# Allegro board RK_EVB1_RK3576_LP4XD200P132SD6_V12_20240530YWQ.brd (continued)
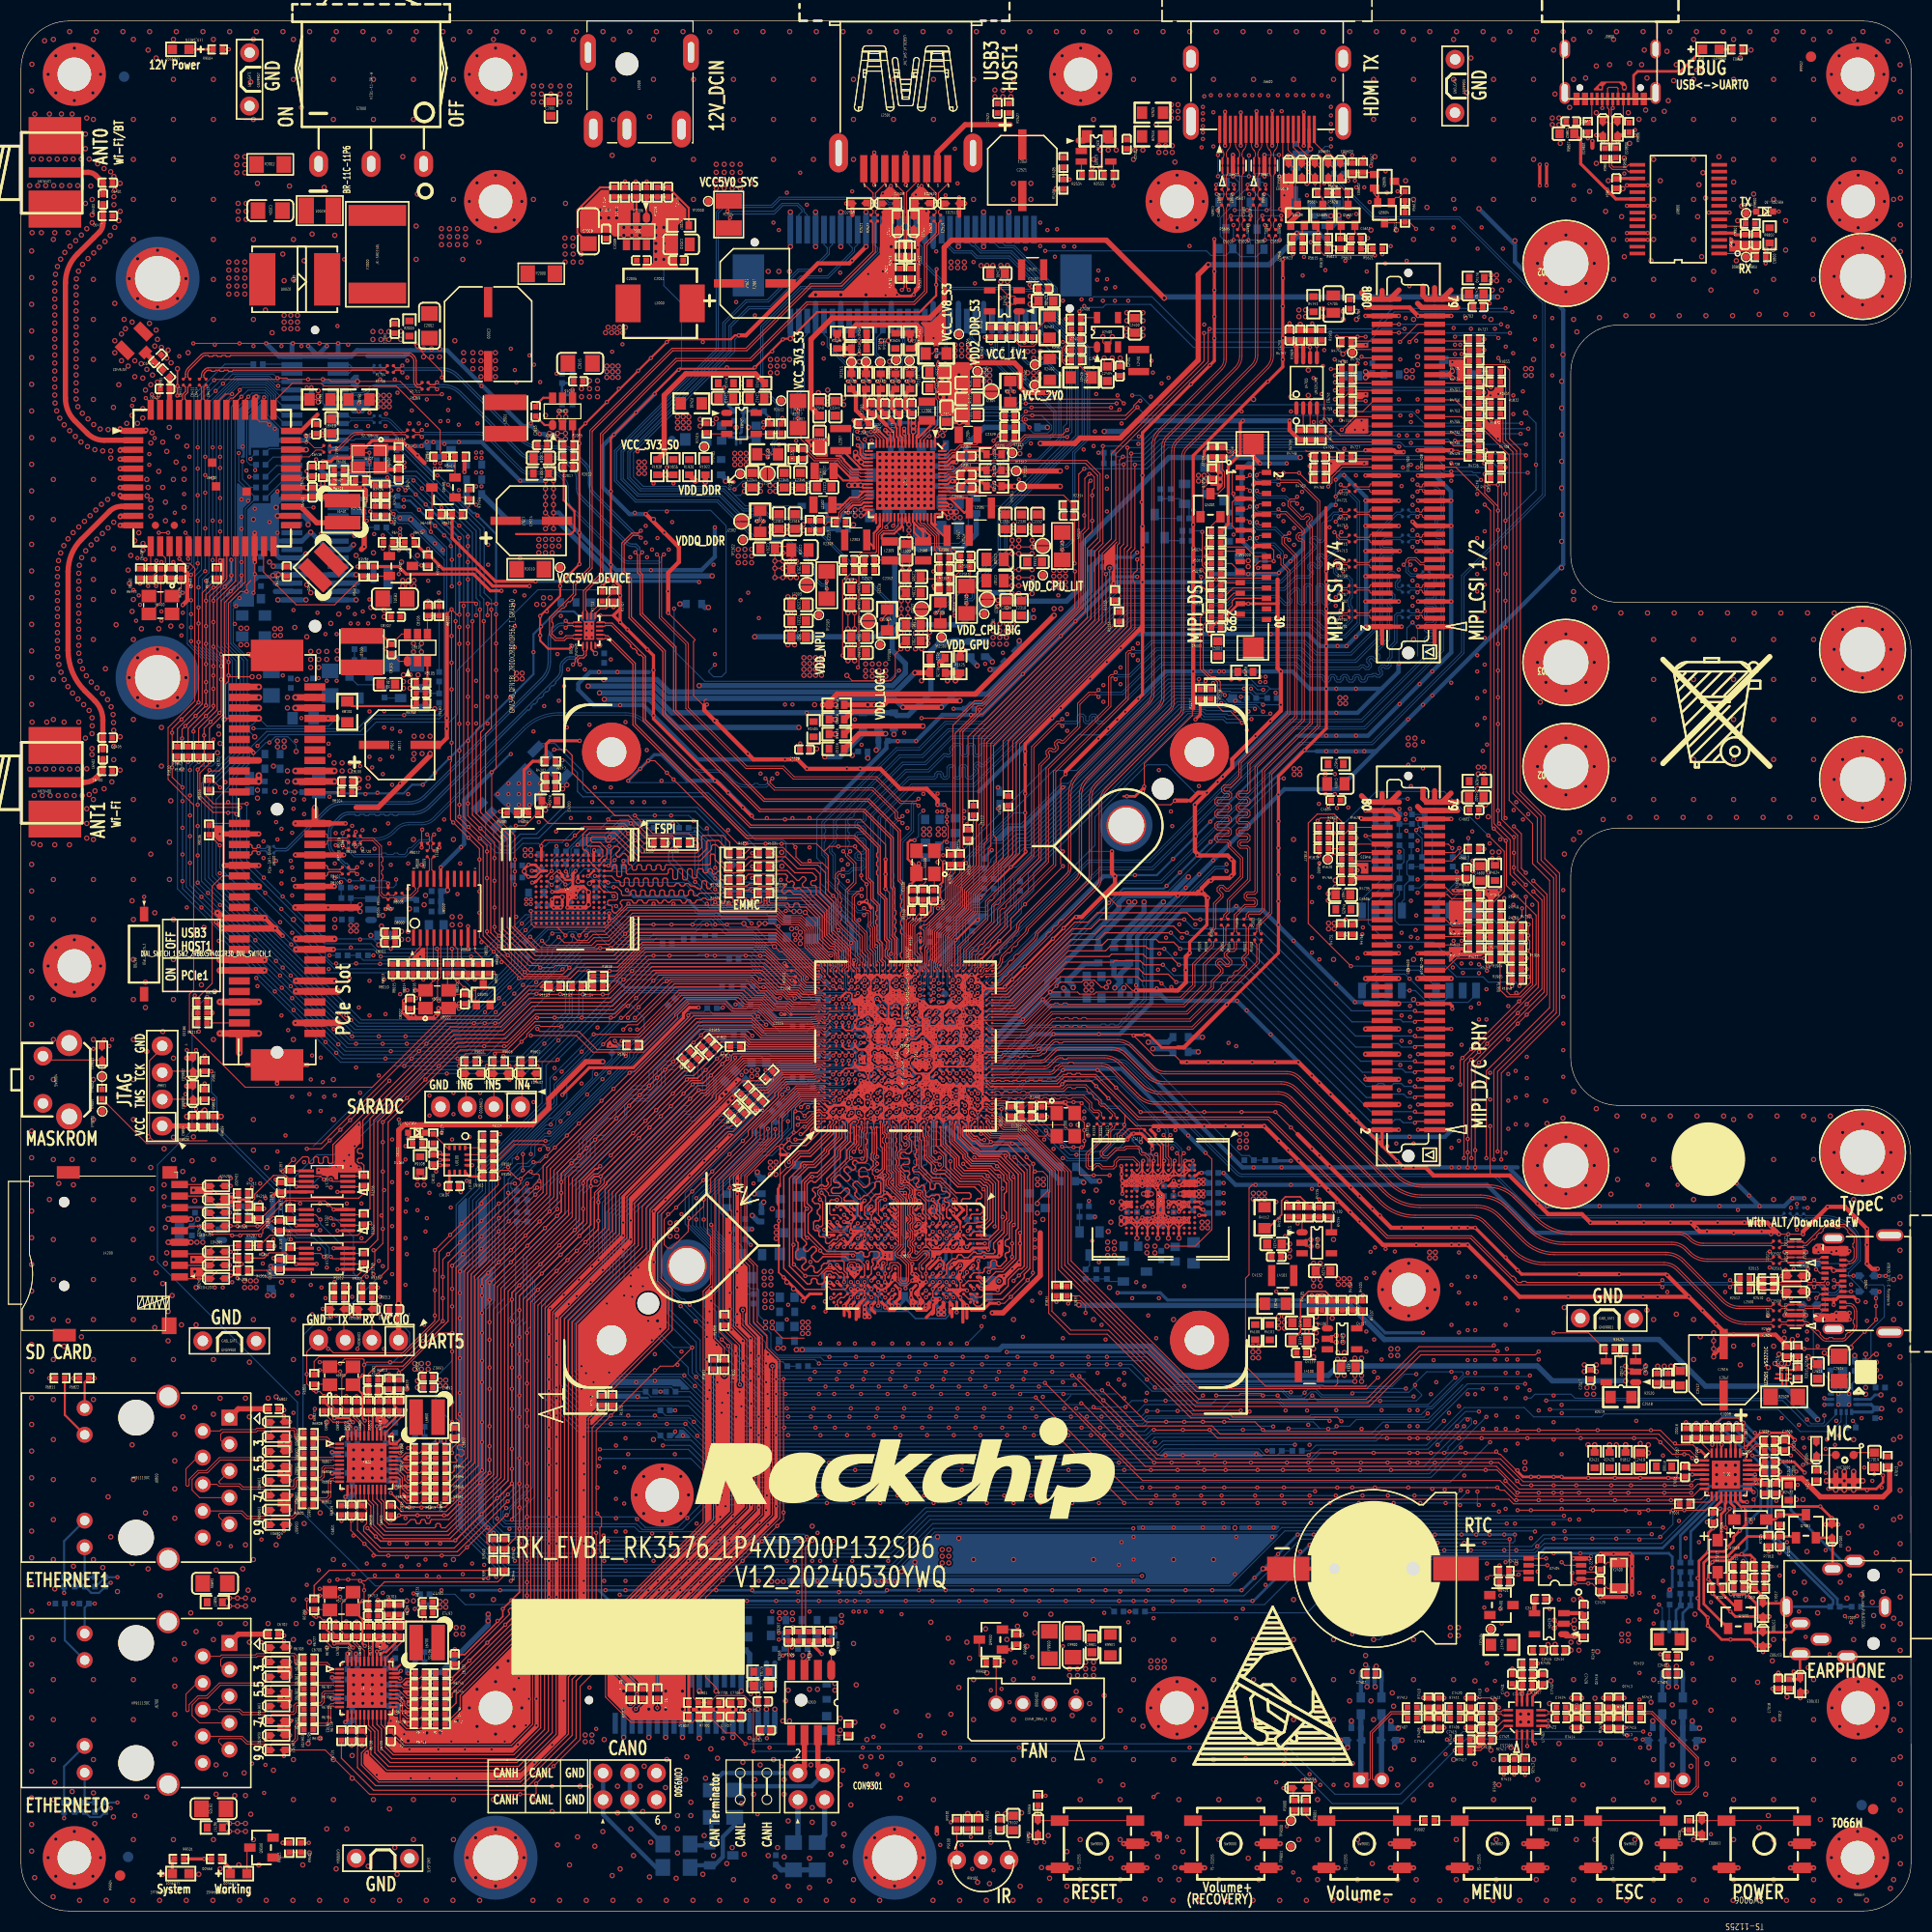
[diagram p0: board, top side]
## Routing (per net, layer and track width the routed paths; a pad name or vN(x,y) marks a point on that pad's centre or on a via; arc(x,y) is an arc through that point) (continued)
VBUS: length 2.2
  TOP w0.203: 167.17,51.13 U2501.B2 U2501.A2 ; U2501.A2 167.06,50.73 ; U2501.A2 167.73,50.11
VBUS5V0_TYPEC: length 11.4
  TOP w0.102: ED2514.2 v2(175.68,50.48) ED2514.1
  TOP w0.203: U2501.A1 168.13,50.11 ; U2501.A1 168.55,50.73 ; U2501.A1 U2501.B1 168.57,51.13
  TOP w0.305: v2(174.92,58.11) 174.53,58.5 J2500.B9 173.12,58.5 172.87,58.25 172.63,58.25 ; 172.63,58.25 v1(172.63,57.73) ; 172.63,58.25 J2500.A4 ; J2500.B4 v2(172.63,61) 172.38,61.25 J2500.A9
  BOTTOM w0.254: U2500.2 176.15,48.73 176.57,49.15 v2(177.13,49.15)
  vias: v2(175.68,49.86) v2(175.68,49.22)
VCC1V2_UFS_VCCQ_S0: length 14.9
  TOP w0.203: U4100.E5 U4100.F5 v1(109.78,69.55) ; U4100.E5 v1(110.28,69.05) ; U4100.E5 v1(109.78,69.55) ; U4100.B4 U4100.A4 ; U4100.B4 U4100.C4 ; U4100.B4 U4100.C5 ; U4100.B4 U4100.B5 ; U4100.B4 U4100.A5 ; U4100.A4 U4100.B5 ; U4100.A4 112.12,69.2 v1(112.16,69.2) 112,69.05 U4100.A5 ; U4100.A4 112.06,69.55 v1(112.16,69.65) ; U4100.A4 U4100.A5 ; v1(110.28,69.05) v1(109.78,69.55) ; v1(110.28,69.05) U4100.C5 ; v1(110.28,69.05) U4100.C4 ; U4100.B5 U4100.C4 ; U4100.B5 U4100.A5 ; U4100.B5 U4100.C5 ; U4100.C4 U4100.C5
  TOP w0.254: v1(112.61,69.67) 112.18,69.67 v1(112.16,69.65) v1(112.16,69.2) 112.18,69.23 v1(112.61,69.23) v1(112.61,69.67)
  BOTTOM w0.305: v1(112.61,69.67) 112.79,69.67 C4102.1 113.02,69.23 v1(112.61,69.23)
  vias: v2(117.36,68.35) v2(117.36,67.82) v2(117.9,68.35) v2(117.9,67.82) v2(118.43,68.35) v2(118.43,67.82)
VCC1V2_UFS_VCCQ_S0_P: length 7.7
  TOP w0.152: C4130.1 R4113.1 122.66,67.19 121.83,68.02 120.42,68.02 120.06,67.65 120.06,66.31 118.78,65.03 R4112.1
VCC1V8_EMMC_S0: length 5.4
  TOP w0.203: U4000.P5 U4000.N4 U4000.P3
  TOP w0.254: U4000.P5 48.98,98.5 v1(48.32,98.5) 47.93,98.89 v2(47.93,99.01) 47.93,99.24 v1(48.33,99.64) 48.98,99.64 U4000.P3
  TOP w0.279: U4000.M4 U4000.N4 ; v2(54.14,97.86) 54.35,98.07 U4000.C6
VCC1V8_FSPI_S0: length 2
  BOTTOM w0.102: v2(51.59,106.86) 51.73,107 U4300.8 51.98,107.7 v2(51.98,107.25)
VCC1V8_UFS_VCCQ2_S0: length 13.1
  TOP w0.203: U4100.A7 U4100.B7 ; U4100.A7 U4100.A6 ; U4100.A7 U4100.B6 ; U4100.A7 v1(112.17,68.05) ; U4100.B7 U4100.A6 ; U4100.B7 U4100.C6 ; U4100.B7 U4100.C7 ; U4100.B7 U4100.B6 ; U4100.B6 U4100.A6 ; U4100.B6 U4100.C6 ; U4100.B6 U4100.C7 ; U4100.A6 v1(112.17,68.55) ; U4100.K6 U4100.K7 ; U4100.K6 107.15,68.55 v2(106.9,68.3) 107.15,68.05 U4100.K7 ; U4100.K6 107.41,68.55 v2(107.66,68.3) 107.41,68.05 U4100.K7 ; U4100.C7 110.65,68.05 v2(110.4,68.3) 110.65,68.55 U4100.C6 ; U4100.C7 U4100.C6
  TOP w0.254: v1(112.61,68.55) v1(112.17,68.55) v1(112.17,68.05) v1(112.61,68.05) v1(112.61,68.55)
  BOTTOM w0.102: C4108.1 110.2,68.09 v2(110.4,68.3)
  vias: v2(112.47,65.6) v2(112.47,65.07) v2(113.01,65.6) v2(113.01,65.07)
VCC3V3_CAN:
  vias: v2(72.56,18.11) v2(73.19,18.11)
VCC3V3_CLK: length 2.6
  TOP w0.254: R8010.1 v1(36.38,88.72) ; R8020.1 R8025.1 v1(42.56,88.77) ; R8015.1 v1(37.35,88.72)
  vias: v2(36.24,93.29) v2(36.24,92.53) v2(36.87,93.29) v2(36.87,92.53)
VCC3V3_EMMC_S0: length 4.6
  TOP w0.279: U4000.F5 v2(53.05,98.07) U4000.E6 ; v1(50.59,96.34) 50.81,96.57 U4000.K9 v2(51.55,96.57) U4000.J10 51.55,95.73 v1(51.39,95.58)
  TOP w0.406: v1(51.39,95.58) v1(50.73,95.58) 50.59,95.72 v1(50.59,96.34)
VCC3V3_FSUSB_S0: length 19.2
  TOP w0.305: U1301.10 C1313.1 24.39,68.49 v1(23.98,68.08) ; U1302.10 C1314.1 v1(24.13,64.8) ; U1300.10 C1312.1 24.08,61.12 v1(23.79,61.41)
  BOTTOM w0.508: v1(23.98,68.08) 23.98,66.56 23.54,66.11 23.54,65.39 v1(24.13,64.8) 25.06,63.87 25.06,61.68 24.8,61.41 v1(23.79,61.41) R1355.2
VCC3V3_FT232_DEBUG: length 2
  TOP w0.305: C9804.1 151.97,165 U9800.17
VCC3V3_GMA340_S0: length 1.5
  TOP w0.203: U1700.17 54.31,120.18 v2(54.71,119.77)
  TOP w0.406: R1707.1 v1(56.43,124.18)
VCC3V3_LCD_S0:
  vias: v2(116.88,128.6) v2(116.88,128.04)
VCC3V3_PCIE1: length 9.3
  TOP w0.635: U8100.B8 22.65,109.58 ; v2(26.13,107.58) U8100.A10 v2(29.85,107.58) ; v2(26.13,108.58) U8100.A9 v2(29.85,108.58)
  vias: v2(24.04,109.04) v2(25.37,108.58) v2(25.37,107.58) v2(29.82,109.34) v2(30.58,109.34) v2(30.58,108.58) v2(31.34,109.34) v2(31.34,108.58)
VCC3V3_PCIE1_P: length 7.9
  TOP w0.203: C8104.1 R8101.1 37.63,114.96 37.43,114.75 31.51,114.75 31.06,115.2
VCC3V3_PCIEWL_VBAT: length 3.2
  TOP w0.406: U6400.36 26.69,140.97 28.23,142.51
VCC3V3_PHY0: length 37.3
  TOP w0.203: U6700.11 31.1,18.17 v1(30.9,17.98) ; U6700.40 v1(31.1,24.49) ; R6731.2 R6719.2 v1(35.05,29.65)
  TOP w0.229: U6700.29 35.94,22.63 v1(36.17,22.86)
  L4-SIG w0.203: v1(30.9,17.98) 23.25,10.33 v1(9.18,10.33)
  BOTTOM w0.203: R6712.1 7.12,9.43 R6721.2 v1(9.18,10.33) ; v1(35.05,29.65) 35.6,29.1 35.6,25.09
  BOTTOM w0.508: C6710.1 31.1,23.92 v1(31.1,24.49) ; C6711.1 31.35,17.98 v1(30.9,17.98)
VCC3V3_PHY1: length 37.3
  TOP w0.203: v1(35.05,51.11) R6819.2 R6831.2 ; v1(30.9,39.44) 31.1,39.64 U6800.11 ; U6800.40 v1(31.1,45.96)
  TOP w0.229: v1(36.17,44.33) 35.94,44.09 U6800.29
  L4-SIG w0.203: v1(30.9,39.44) 23.25,31.79 v1(9.18,31.79)
  BOTTOM w0.203: v1(9.18,31.79) R6821.2 7.12,30.89 R6812.1 ; v1(35.05,51.11) 35.6,50.56 35.6,46.55
  BOTTOM w0.508: v1(30.9,39.44) 31.35,39.44 C6810.1 ; C6811.1 31.1,45.39 v1(31.1,45.96)
VCC3V3_SD_S0: length 2.2
  TOP w0.508: v2(16.2,63.69) J4200.4 v2(14.02,63.69)
  vias: v2(16.76,63.69) v2(17.31,63.69)
VCC3V3_SENSOR_S0: length 4.6
  TOP w0.254: 42.46,71.03 v1(42.97,71.03) ; C9105.1 39.74,72.03 v1(39.92,72.21) 40.1,72.03 U9100.5 ; v1(40.62,68.46) 40.8,68.64 C9104.1 U9100.8
  TOP w0.305: v1(45.43,73.27) 45.03,72.87 R9104.1
VCC3V3AUX_PCIE1: length 2.4
  TOP w0.635: U8100.B10 v2(22.65,107.58) v2(22.65,108.15)
VCC5V0_DEVICE_S0: length 2
  BOTTOM w0.508: R5608.1 124.88,160.47 125.52,161.11 v2(125.52,161.49)
  vias: v1(118.01,117.55) v1(118.01,117.04) v1(118.53,117.55) v1(118.52,117.04) v2(31.41,93.87) v2(31.41,93.33) v2(31.95,93.87) v2(31.95,93.33) v2(49.32,130.63) v2(49.32,129.99) v2(49.32,129.36) v2(49.95,130.63) v2(49.95,129.99) v2(49.95,129.36) v2(50.59,130.63) v2(50.59,129.99) v2(50.59,129.36) v2(51.22,130.63) v2(51.22,129.99) v2(72.24,28.4) v2(72.24,27.84) v2(72.81,28.39) v2(73.47,28.38) v2(73.47,27.75) v2(109.55,172.03) v2(109.55,171.39) v2(109.55,170.76) v2(110.19,172.03) v2(110.19,171.39) v2(110.19,170.76) v2(125.61,115.54) v2(125.61,115.01) v2(126.15,115.54) v2(126.15,115.01) v2(132.12,111.7) v2(132.12,111.07) v2(132.76,111.7) v2(132.76,111.07) v2(138.79,108.94) v2(138.79,108.3) v2(139.33,108.93) v2(139.33,108.3) v2(139.99,155.8) v2(139.99,155.26) v2(140.53,155.8) v2(140.53,155.26) v2(149.14,49.86) v2(149.14,49.22) v2(149.77,49.86) v2(149.77,49.22) v2(152.44,26.36) v2(152.44,25.73) v2(153.08,26.36) v2(153.08,25.73)
VCC5V0_DEVICE_S0_P: length 194.9
  TOP w0.203: R2012.1 C2017.1 51.69,134.35 52.71,133.33 52.71,131.48 52.36,131.14 47.14,131.14
  TOP w0.305: R9501.1 v1(17.44,4.96) R9500.1
  L4-SIG w0.305: v1(17.44,4.96) 30.08,4.96 33.57,8.45 60.24,8.45 62.27,10.49 62.27,35.47 64.37,37.57 64.37,42.55 59.35,47.56 59.35,55.19 56.29,58.25 56.29,71.2 50.29,77.19 50.29,84.98 43.2,92.07 43.2,94.7 42.28,95.63 42.28,101.05 43.2,101.98 43.2,108.39 49.06,114.24 49.06,118.05 47.48,119.63 47.48,128.8 v1(47.54,128.85)
VCC5V0_HDMI: length 2.7
  TOP w0.508: v2(121.63,161.58) 120.92,160.87 Q5608.1
  BOTTOM w0.508: R5610.1 D5600.1
VCC5V0_SYS_S5: length 102.9
  TOP w0.102: R2004.2 67.4,162 v1(67.27,161.88)
  TOP w0.203: 88.75,137.98 88.6,137.98 88.26,137.64 U2300.64 ; v2(84.99,140.88) 84.94,140.83 U2300.7 ; 88.3,133.44 U2300.52 87.74,133.29 88.33,132.71 v2(88.33,132.71) ; v2(87.24,140.53) 87.17,140.53 87.04,140.41 U2300.1 87.36,139.74 ; 80.25,132.88 80.74,133.38 U2300.34 v2(80,133.44) 80.35,133.79 U2300.33 ; U2300.22 80.25,137.64 80.01,137.88 v2(80.01,137.99) 80.02,137.99 U2300.21 ; 84.59,131.84 U2300.44 ; U2300.54 88.16,134.14 88.5,133.8 v2(88.53,133.8) 88.56,133.8 ; v2(84.57,132.05) 84.24,132.37 U2300.43 ; U2300.28 80.21,135.54 v2(79.97,135.78) 80.08,135.89 U2300.27 ; U2300.53 88.5,133.79
  TOP w0.406: R2418.1 147.14,26.16 U2404.1 ; v1(89.09,137.98) 88.75,137.98
  TOP w0.508: v2(78.85,135.78) v2(79.41,135.78) v2(79.97,135.78) ; 89.01,133.24 88.51,133.24 ; v2(84.99,140.88) v2(84.99,141.42) v2(84.99,141.98) ; v2(79.48,138.9) 79.48,138.52 79.62,138.38 v2(79.62,138.38) 80.01,137.99 v2(80.01,137.99)
  L4-SIG w0.305: v1(93.87,53.24) 93.52,53.59 76.17,53.59 75.1,52.52 72.3,52.52 69.5,55.32 v1(69.5,63.44)
  BOTTOM w0.102: CON9700.6 74.88,161.54 74.58,161.84 74.58,162.06 74.01,162.63 72.48,162.63 71.72,161.88 v1(67.27,161.88)
  BOTTOM w0.305: v2(127.04,50.44) 110.23,50.44 107.43,53.24 v1(93.87,53.24) ; 80.03,132.85 v2(80,132.88) ; R3810.1 v1(69.5,63.44) ; R2324.1 84.67,141.74 v2(84.99,141.42)
  BOTTOM w0.508: R5609.1 v2(124.75,161.44)
  vias: v2(66.21,166.35) v2(66.21,165.59) v2(66.21,164.83) v2(66.21,164.06) v2(66.97,166.35) v2(66.97,165.59) v2(66.97,164.83) v2(66.97,164.06) v2(67.73,166.35) v2(67.73,165.59) v2(67.73,164.83) v2(67.73,164.06) v2(68.49,166.35) v2(68.49,165.59) v2(68.49,164.83) v2(68.49,164.06) v2(79.44,133.44) v2(79.44,132.88) v2(84.57,131.49) v2(84.57,130.93) v2(87.41,141.05) v2(87.8,140.53) v2(87.96,141.05) v2(88.53,133.24) v2(88.89,132.71) v2(89.09,133.24) v2(89.45,132.71) v2(91.44,156.71) v2(91.99,156.71) v2(92.55,156.71) v2(105.32,152.22) v2(105.32,151.46) v2(106.85,152.22) v2(106.85,151.46) v2(108.37,168.12) v2(108.37,167.49) v2(109.01,168.12) v2(109.01,167.49) v2(109.64,168.12) v2(109.64,167.49) v2(125.46,60.22) v2(125.46,59.68) v2(125.99,60.22) v2(125.99,59.68) v2(126.53,60.22) v2(126.53,59.68) v2(127.04,52.65) v2(127.04,51) v2(127.68,52.65) v2(127.68,51) v2(127.68,50.44) v2(130.47,53.54) v2(130.47,52.9) v2(131.1,53.54) v2(131.1,52.9) v2(136.13,27) v2(136.13,26.23) v2(136.89,27) v2(136.89,26.23) v2(147.61,25.6) v2(147.61,24.84) v2(148.38,25.6) v2(148.38,24.84)
VCC5V0_SYS_S5_P: length 16
  TOP w0.102: v1(67.53,161.25) 67.4,161.13 R2004.1
  TOP w0.203: R2006.1 C2006.1 63.59,162.2 R2007.1
  BOTTOM w0.102: v1(67.53,161.25) 67.89,161.62 71.75,161.62 72.56,162.43 73.93,162.43 74.38,161.98 74.38,161.84 74.08,161.54 CON9700.4
VCC5V0_USB3_HOST1: length 9.6
  TOP w0.508: 94.21,170.12 89.92,170.12 87.26,167.47 J2501.1
VCC5V_FT232_DEBUG: length 19.8
  TOP w0.254: LED9800.1 158.05,175.2 153.96,175.2 153.58,174.82 153.58,172.74 J9800.A4
  TOP w0.305: U9800.20 151.89,163.05 148.54,166.4 148.54,168.65 C9802.1
VCC5V_HDMI_TX: length 6
  TOP w0.305: J5600.18 122.67,167.95 v2(122.81,167.82)
  BOTTOM w0.406: D5600.2 C5610.1 122.39,167.4 v2(122.81,167.82)
  BOTTOM w0.508: D5600.2 R5610.2
VCC12V_DCIN: length 8.5
  TOP w0.203: R2005.1 55.15,164.15 53,162 53,159.83 C2008.1
  BOTTOM w0.254: R2011.1 v1(51.01,146.42)
  vias: v2(36.35,126.72) v2(36.35,126.18) v2(36.89,126.72) v2(36.89,126.18) v2(37.43,126.72) v2(37.43,126.18) v2(51.8,159.33) v2(51.8,158.57) v2(51.82,157.81) v2(51.82,157.04) v2(52.57,159.33) v2(52.57,158.57) v2(52.58,157.81) v2(52.58,157.04) v2(53.35,157.81) v2(53.35,157.04) v2(107.61,23.82) v2(107.61,23.19) v2(108.24,23.82) v2(108.24,23.19) v2(108.88,23.82) v2(108.88,23.19) v2(121.25,108.78) v2(121.25,108.25) v2(121.71,152.48) v2(121.71,151.84) v2(121.79,108.78) v2(121.79,108.25) v2(122.34,152.48) v2(122.34,151.84)
VCC12V_DCIN_P: length 25.2
  TOP w0.254: R9504.1 v1(19.79,177.3)
  L4-SIG w0.254: v1(30.77,157.3) 30.77,166.31 v1(19.79,177.3)
VCC12V_PCIE1: length 9.3
  TOP w0.635: U8100.A2 v2(26.13,115.58) ; U8100.B3 v2(22.65,114.58) ; U8100.A3 v2(26.13,114.58) ; U8100.B2 v2(22.65,115.58) ; U8100.B1 v2(22.65,116.58)
  vias: v2(25.37,115.58) v2(25.37,114.58)
VCC_1V1_NLDO_S3: length 3
  TOP w0.203: v1(84.11,140.71) 84.11,140.63 84.24,140.5 U2300.9 ; v1(82.62,140.72) 82.8,140.55 82.8,140.18 82.84,140.13 U2300.13
  TOP w0.381: v1(82.62,140.72) v1(82.31,141.04) ; v1(84.11,140.71) v1(84.11,141.17)
  vias: v2(95.87,148.53) v2(96.43,148.53) v2(96.43,147.9) v2(97.07,148.53) v2(97.07,147.9)
VCC_1V1_NLDO_S3_P: length 7
  TOP w0.102: R2403.1 C2402.1 94.32,149.89 95.18,149.03 96.45,149.03 96.87,149.45 96.87,150.75 R2402.1 97.96,151.91
VCC_1V8_S0: length 122.6
  TOP w0.102: v2(49.95,104.85) 49.61,105.19 R4304.2 49.79,105.74 v1(50.25,105.27)
  TOP w0.305: v1(116.37,141.93) 116.12,141.67 116.12,138.75 114.98,137.61 114.98,132.09 R5024.1 ; v1(45.76,125.73) 44.69,125.73 43.09,127.33 36.69,127.33 35.97,128.04 R6415.1
  TOP w0.406: v1(120.82,141.93) 120.82,141.04 121.75,140.11 R4768.1 R4748.1 R4758.1 ; v1(42.23,137.05) R6414.1
  TOP w0.508: R2420.1 v2(151.3,44.39)
  L3-POWER w0.508: v2(44.49,27.63) v2(44.49,28.27)
  L4-SIG w0.508: v2(103.16,140.91) 99.61,144.47 99.61,145.78 98.76,146.63 98.76,149 96.97,150.79 95.1,150.79 92.57,153.32 76.33,153.32 73.35,150.35 69.77,150.35 64.09,144.66 63.6,144.66 59.38,140.44 v2(59.38,137.99) v2(59.38,137.45) v2(59.38,136.91)
  BOTTOM w0.508: v1(120.82,141.93) v1(116.37,141.93) 106.34,141.93 105.32,140.91 v2(103.16,140.91) ; v2(44.49,28.27) v2(44.49,27.63) 44.49,27.25 39.97,22.73 R6730.1 ; R6830.1 39.08,44.19 v2(39.66,44.78) v2(40.3,44.78)
  vias: v1(43.35,137) v1(43.35,135.68) v1(43.86,137) v1(43.86,135.68) v2(47.19,117.89) v2(47.19,117.35) v2(47.73,117.89) v2(47.73,117.35) v2(48.01,101.07) v2(48.01,100.53) v2(48.55,101.07) v2(48.55,100.53) v2(58.84,137.99) v2(58.84,137.45) v2(58.84,136.91) v2(61.82,65.53) v2(61.82,64.9) v2(61.82,64.26) v2(62.46,65.53) v2(62.46,64.9) v2(62.46,64.26) v2(87.73,34.42) v2(87.73,33.78) v2(87.73,33.15) v2(88.37,34.42) v2(88.37,33.78) v2(88.37,33.15) v2(115.61,36.49) v2(140.12,100.85) v2(140.12,100.22) v2(140.76,100.85) v2(140.76,100.22) v2(143.3,146.88) v2(143.3,146.25) v2(143.83,146.88) v2(143.83,146.25) v2(151.93,44.39)
VCC_1V8_S0_P: length 1.4
  BOTTOM w0.254: 68.11,139.65 U2402.A1 67.41,140.34
VCC_1V8_S3: length 108.1
  TOP w0.102: R2316.1 87.47,148.33 v1(87.16,148.03)
  TOP w0.508: v2(97.69,144.62) 95.69,144.62 95.18,145.13 95.18,146.89 94.62,147.44 90.87,147.44 v2(90.22,148.09) ; v2(89.7,120.09) 89.45,119.83 R1125.2
  L4-SIG w0.508: v2(89.7,120.09) 90.08,120.47 90.08,123.71 89.07,124.72 89.07,125.67 90.46,127.07 90.46,134.2 90.27,134.39 90.27,148.04 v2(90.22,148.09) v2(90.22,148.63) ; v2(97.69,144.62) 97.69,142.33 98.36,141.66 98.36,133.1 101.29,130.17 101.29,126.59 107.1,120.77 107.1,109.52 105.58,108 105.58,106.69 108.24,104.02 108.24,102.69 106.96,101.4 v2(106.96,96.1)
  BOTTOM w0.102: CON9700.39 88.48,150.16 88.18,149.86 88.18,148.64 87.8,148.25 87.39,148.25 v1(87.16,148.03)
  BOTTOM w0.254: 68.51,139.79 U2402.A2 68.51,140.34 69.97,140.34 70.02,140.39
  BOTTOM w0.508: R1410.2 104.09,92.26 106.96,95.13 v2(106.96,96.1)
  vias: v1(43.35,138.9) v1(43.35,138.4) v1(43.86,138.9) v1(43.86,138.4) v2(70.85,58.75) v2(70.85,58.11) v2(70.85,57.48) v2(71.49,58.75) v2(71.49,58.11) v2(71.49,57.48) v2(88.57,157.04) v2(88.57,156.5) v2(88.95,149.17) v2(88.95,148.63) v2(88.95,148.09) v2(89.21,157.04) v2(89.21,156.5) v2(89.59,149.17) v2(89.59,148.63) v2(89.59,148.09) v2(89.84,157.04) v2(89.84,156.5) v2(90.22,149.19) v2(103.49,63.7) v2(103.49,63.06) v2(103.49,62.43) v2(104.13,63.7) v2(104.13,63.06) v2(104.13,62.43) v2(116.06,73.99) v2(116.06,73.35) v2(116.06,72.72) v2(116.7,73.99) v2(116.7,73.35) v2(116.7,72.72)
VCC_1V8_S3_P: length 12.2
  TOP w0.102: U2300.5 85.64,140.11 86.57,141.04 86.8,141.04 87.29,141.53 87.29,143.86 87.14,144.01 87.14,144.95 87.04,145.05 87.04,145.59 86.76,145.87 ; v1(87.16,148.69) 86.81,148.33 R2316.2
  BOTTOM w0.102: CON9700.37 87.68,150.16 87.98,149.86 87.98,148.72 87.71,148.46 87.39,148.46 v1(87.16,148.69)
VCC_2V0_PLDO_P: length 6.9
  TOP w0.102: R2404.1 C2403.1 100.02,149.69 99.17,148.83 99.17,147.56 99.58,147.14 100.88,147.14 R2401.1
VCC_2V0_PLDO_S3: length 2.7
  TOP w0.203: U2300.59 88.26,135.89 88.54,136.17 v1(88.71,136.17)
  TOP w0.406: v1(89.16,136.17) v1(88.71,136.17)
  BOTTOM w0.406: v1(89.16,136.17) v1(88.71,136.17) 88.71,136.2 88.25,136.66 C2354.1
  vias: v2(95.87,146.5) v2(96.43,146.5) v2(96.43,145.96) v2(96.97,146.5) v2(96.97,145.96)
VCC_3V3_S0: length 115.1
  TOP w0.102: R6404.1 28.11,143.96 28.3,143.77 v2(28.3,143.71)
  TOP w0.203: R4105.1 v1(122.94,58.64)
  TOP w0.305: v1(121.62,67.53) 121.69,67.45 R4115.1 ; Q9900.1 v1(94.28,24.9) R9902.1
  TOP w0.406: R8110.1 v1(18.24,85.54)
  TOP w0.508: R2421.1 v2(149.87,44.39) ; R9809.1 v2(19.06,75.67)
  L4-SIG w0.305: v1(94.28,24.9) 80.75,24.9 v2(78.15,27.5)
  L4-SIG w0.508: 131.95,145.93 135.17,142.71 135.17,111.45 134.15,110.43 v2(134.15,62.74) v2(134.7,62.74)
  BOTTOM w0.102: R6737.1 R6733.1 ; R6837.1 R6834.1
  BOTTOM w0.305: R2514.2 119.47,71.45 v1(120.94,71.45) ; R2416.1 66.97,143.78 v1(66.97,145.11)
  BOTTOM w0.508: R1355.1 24.04,59.04 v2(24.04,58.62)
  vias: v1(48.12,96.33) v1(48.12,95.9) v1(48.55,96.33) v1(48.55,95.9) v2(20.94,122.17) v2(20.94,120.59) v2(21.5,122.17) v2(21.5,120.59) v2(23.48,58.62) v2(25.06,151.97) v2(25.06,151.33) v2(25.06,150.7) v2(25.69,151.97) v2(25.69,151.33) v2(25.69,150.7) v2(26.33,151.97) v2(26.33,151.33) v2(26.33,150.7) v2(28.3,144.78) v2(28.3,144.25) v2(37.51,52.14) v2(37.51,51.6) v2(37.76,69.78) v2(37.76,69.14) v2(38.14,52.14) v2(38.14,51.6) v2(38.39,69.78) v2(38.39,69.14) v2(38.78,52.14) v2(38.78,51.6) v2(41.44,27) v2(41.44,26.36) v2(42.08,27) v2(42.08,26.36) v2(49.12,124.44) v2(49.76,125.07) v2(49.76,124.44) v2(50.39,125.07) v2(55.79,147.14) v2(55.79,146.6) v2(55.79,146.06) v2(56.33,147.14) v2(56.33,146.6) v2(56.33,146.06) v2(56.87,147.14) v2(56.87,146.6) v2(56.87,146.06) v2(62.52,142.31) v2(62.52,141.78) v2(62.52,141.24) v2(63.06,142.31) v2(63.06,141.78) v2(63.06,141.24) v2(63.6,142.31) v2(63.6,141.78) v2(63.6,141.24) v2(71.48,31.38) v2(72.04,31.38) v2(72.6,31.38) v2(78.15,28.14) v2(117.32,53.78) v2(117.32,53.25) v2(117.32,52.69) v2(117.86,53.78) v2(117.86,53.25) v2(117.86,52.69) v2(124.53,94.08) v2(124.53,93.54) v2(125.07,94.08) v2(125.07,93.54) v2(131.95,146.7) v2(131.95,146.06) v2(132.51,146.7) v2(132.51,146.06) v2(134.15,62.2) v2(134.7,62.2) v2(149.24,44.39)
VCC_3V3_S3: length 74.7
  TOP w0.102: R2317.2 v1(74,142.89)
  TOP w0.508: R9102.2 v2(91.18,9.27) ; R1838.2 61.25,138.89 61.25,144.34 63.31,146.4 69.94,146.4 R1411.2
  L4-SIG w0.508: v2(22.39,60.02) v2(22.39,59.38) 22.39,57.86 27.35,52.9 39.66,52.9 44.36,48.2 44.36,47.57 52.75,39.19
  BOTTOM w0.102: v1(74,142.89) 74,142.73 73.9,142.63 73.67,142.63 73.57,142.73 73.57,143.93 74.58,144.93 74.58,149.86 74.88,150.16 CON9700.5
  BOTTOM w0.305: U2500.3 176.2,48.23 C2505.1 176.28,47.52 U2500.4
  BOTTOM w0.508: C2505.1 v2(177.21,47.84) ; v2(174.64,52.9) R2501.1
  vias: v2(21.3,60.02) v2(21.3,59.38) v2(21.85,60.02) v2(21.85,59.38) v2(24.17,122.12) v2(24.17,121.48) v2(24.42,111.43) v2(24.42,110.87) v2(24.71,122.12) v2(24.71,121.48) v2(25.06,111.43) v2(25.06,110.87) v2(33.98,144.34) v2(33.98,143.81) v2(33.98,143.27) v2(34.53,144.34) v2(34.53,143.81) v2(34.53,143.27) v2(35.07,144.34) v2(35.07,143.81) v2(35.07,143.27) v2(53.74,16.76) v2(53.74,16.13) v2(54.37,16.76) v2(54.37,16.13) v2(55.67,150.32) v2(55.91,150.83) v2(56.25,150.32) v2(56.49,150.83) v2(56.79,150.32) v2(57.03,150.83) v2(57.32,150.32) v2(57.57,150.83) v2(71.37,147.77) v2(71.37,147.13) v2(71.37,146.5) v2(72.01,147.77) v2(72.01,147.13) v2(72.01,146.5) v2(72.64,147.77) v2(72.64,147.13) v2(73.2,147.77) v2(112.14,136.72) v2(112.14,136.19) v2(112.68,136.72) v2(112.68,136.19)
VCC_3V3_S3_P: length 131.4
  TOP w0.102: U2300.24 79.93,136.94 79.87,137 79.15,137 78.15,137.99 78.15,138.09 77.92,138.32 75.67,138.32 74.9,139.1 74.9,139.56 74.28,140.18 74.28,141.6 ; R2317.1 v1(74,142.16)
  TOP w0.508: v2(108.88,153.61) 103.37,159.12 88.61,159.12 87.92,158.44 87.92,153.11 86.53,151.71 77.26,151.71 75.24,149.69 75.24,143.21 C2340.1
  L4-SIG w0.508: v2(166.85,158.25) v2(166.22,158.25) 161.46,153.49 140.86,153.49 v2(140.63,153.72)
  BOTTOM w0.102: CON9700.3 74.08,150.16 74.38,149.86 74.38,145.02 73.37,144.01 73.37,142.65 73.59,142.42 73.9,142.42 74,142.32 v1(74,142.16)
  BOTTOM w0.508: v2(140.63,153.72) 108.98,153.72 v2(108.88,153.61)
VCC_CAN: length 2.5
  TOP w0.102: 74.36,23.59 74.36,22.95 ; 74.36,23.59 74.36,24.23 v2(74.46,24.33) ; 74.36,23.59 v2(75.1,24.33)
VCC_JTAG: length 4.9
  TOP w0.508: R9809.2 R9808.2 C9805.1 J9801.1
VCC_SPK_AMP: length 4.1
  BOTTOM w0.406: v2(128.97,21.35) 128.92,21.4 U7400.6 128.92,23.16 v2(129.07,23.31) ; v2(157.66,23.31) 157.62,23.27 U7401.6 157.62,21.4 v2(157.67,21.35)
VCC_UFS_S0: length 19.3
  TOP w0.152: U4100.B8 U4100.B9 ; U4100.B8 U4100.C9 ; U4100.B8 U4100.C8 ; U4100.B9 U4100.C9 ; U4100.B9 U4100.C8 ; U4100.C9 U4100.C8 ; U4100.C9 v1(110.28,67.55) ; U4100.C9 110.33,66.6 v1(110.28,66.6) ; v1(110.28,67.05) U4100.C8
  TOP w0.203: 104.79,67.05 v2(104.79,66.92) 105.15,66.92 U4100.P9 ; 104.79,67.05 U4100.P8 ; 104.79,67.05 104.79,67.54 ; v1(107.78,67.05) U4100.K8 v1(106.78,67.05) ; U4100.P8 U4100.N9 ; U4100.P8 v2(104.79,67.55) 104.79,67.54 ; U4100.P8 U4100.P9 ; U4100.P8 U4100.N8 ; U4100.N9 U4100.P9 ; U4100.N9 U4100.N8 ; U4100.P9 104.79,67.54 ; U4100.P9 U4100.N8 ; v1(109.28,67.05) U4100.E8 v1(110.28,67.05)
  TOP w0.254: U4100.C8 v1(110.28,67.55) ; v1(110.28,67.55) U4100.E8 v1(109.28,67.55) v1(109.28,67.05) ; v1(110.28,67.55) v1(110.28,67.05) ; v1(110.28,67.05) v1(110.28,66.6) ; v1(110.28,67.05) U4100.C9 ; U4100.K8 v1(107.78,67.55) v1(107.78,67.05)
  vias: v2(119.77,56.62) v2(119.77,56.06) v2(119.77,55.5) v2(120.33,56.62) v2(120.33,56.06) v2(120.33,55.5)
VCCA1V8_PLDO2_S0: length 4.5
  TOP w0.203: U2300.58 88.92,135.54 v1(88.93,135.55)
  BOTTOM w0.508: R1147.2 89.97,135.55 v1(88.93,135.55) 88.32,135.55 C2355.1
VCCA1V8_PLDO6_S3: length 142.1
  TOP w0.203: v1(79.69,139.58) 79.69,139.55 79.94,139.31 79.94,138.71 80.3,138.34 U2300.20
  TOP w0.508: v2(85.13,117.93) R1126.2 R1124.1
  L4-SIG w0.508: v2(85.13,117.93) 81.19,121.86 81.19,138.08 v1(79.69,139.58) ; v2(55.5,117.28) 50,111.78 50,106.14 48.58,104.72 47.16,104.72 45.65,103.21 45.65,94.84 51.9,88.58 51.9,85.65 52.73,84.83 52.73,77.75 64.06,66.41 65.47,66.41 66.69,65.19 68.54,65.19 70.07,63.67 70.07,55.52 71.98,53.6 v2(72.07,53.6) v2(72.61,53.6)
  BOTTOM w0.406: C2357.1 80.17,139.58 v1(79.69,139.58)
  BOTTOM w0.508: v2(85.13,117.93) 83.3,116.09 61.74,116.09 60.56,117.28 v2(55.5,117.28)
VCCA3V3_CLK: length 3.7
  TOP w0.305: U8000.15 40.63,97.23 v2(40.62,97.23)
  BOTTOM w0.508: R8034.2 C8007.1 C8008.1 40.53,97.13 v2(40.62,97.23)
VCCA3V3_CODEC: length 27
  TOP w0.102: C7000.1 167.09,40.76
  TOP w0.254: U7000.17 165.66,41.11 C7001.1 166.07,40.66 U7000.16 ; R7008.2 v1(164.02,33.34)
  TOP w0.508: 167.09,40.76 167.55,41.22 169.59,41.22 171.36,39.44 177.33,39.44 177.96,40.07 177.96,42.19 R7013.1
  L4-SIG w0.305: v1(164.02,33.34) 165.78,35.09 165.78,40.33 v1(165.27,40.84)
VCCA_1V8_S0: length 268.5
  TOP w0.102: R2322.2 93.11,137.2 v1(92.67,136.77)
  TOP w0.305: v1(71.23,142.18) 71.23,141.73 R2412.1
  TOP w0.508: TP2310.1 v2(98.97,137.14)
  L4-SIG w0.305: v1(74.83,114.12) 74.83,114.25 72.54,116.55 72.54,123.28 70.91,124.91 70.91,129.99 69.4,131.5 69.4,136.36 70.27,137.23 70.27,140.15 71.23,141.11 v1(71.23,142.18)
  L4-SIG w0.508: v2(98.97,137.14) 99.58,136.54 99.58,133.81 105.14,128.25 105.14,124.46 108.35,121.24 108.35,109.68 110.45,107.58 110.45,103.17 108.18,100.9 108.18,96.72 v2(108.8,96.1) 112.63,96.1 113.83,94.9 113.83,82.97 112.69,81.82 v2(112.12,81.82) 111.09,81.82 103.92,74.66 103.92,71.69 102.72,70.49 v2(102.72,69.51) ; v2(94.01,137.36) v2(94.01,136.8) 94.01,134.93 91.83,132.75 ; v2(69.64,66.24) 69.22,65.83 67,65.83 65.69,67.13 64.2,67.13 54.48,76.86 54.48,78.96 53.99,79.45 53.99,85.31 52.87,86.44 52.87,89.98 46.48,96.38 46.48,100.71 47.74,101.97 48.37,101.97 52.6,106.2 52.6,113.52 v2(55.1,116.01)
  BOTTOM w0.102: CON9700.57 95.68,150.44 95.22,149.99 95.22,148.22 95.95,147.5 97.85,147.5 99.04,146.31 99.04,140.22 96.89,138.07 93.63,138.07 93.28,137.73 93.28,137.28 93,137 92.9,137 v1(92.67,136.77)
  BOTTOM w0.254: v1(71.23,142.18) 71.23,142.28 70.76,142.75 R2411.1
  BOTTOM w0.508: v2(69.64,66.24) 70.21,65.66 R1202.1 ; v2(102.72,69.51) 101.93,69.51 100.57,70.88 R1323.2 ; v2(108.8,96.1) 105.54,92.85 R1409.2 ; R1506.2 R1602.2 R1501.2 R1119.1 86.65,119.98 86.65,116.02 84.5,113.86 83.39,113.86 R1136.1 R1701.2 R1507.2 v1(74.83,114.12) 61.99,114.12 60.09,116.01 v2(55.1,116.01) ; R1324.2 v2(112.12,81.82)
  vias: v2(93.06,124.83) v2(93.06,124.27)
VCCA_1V8_S0_P: length 27.3
  TOP w0.102: R2322.1 92.45,137.2 v1(92.67,137.43)
  TOP w0.203: U2300.60 88.18,136.24 88.52,136.58 89.14,136.58 89.32,136.76
  TOP w0.406: R2322.1 91.81,137.34 89.93,137.34 89.59,137 C2353.1 89.32,136.76
  BOTTOM w0.102: CON9700.55 94.88,150.22 95.02,150.07 95.02,148.14 95.86,147.29 97.77,147.29 98.83,146.23 98.83,140.3 96.81,138.28 93.54,138.28 93.08,137.82 93.08,137.37 92.98,137.27 92.84,137.27 v1(92.67,137.43)
VCCA_3V3_S0: length 176.3
  L4-SIG w0.508: v2(97.75,141.3) 97.75,118.86 101.41,115.19 101.41,96.85 106.25,92.01 106.25,89.7 106.99,88.95 106.99,87.39 108.88,85.5 108.88,81.93 102.29,75.35 102.29,72.42 100.59,70.72 100.59,57.89 v2(100.75,57.73) ; v2(169.08,39.19) v2(169.71,39.19) 171.11,40.58 v2(171.11,46.81)
  BOTTOM w0.508: v2(97.75,141.3) 97.74,141.3 R2326.2 ; v2(171.11,46.81) 167.93,49.98 160.44,49.98 156,54.43 129.83,54.43 126.58,57.68 100.8,57.68 v2(100.75,57.73)
VCCA_3V3_S0_P: length 11.1
  TOP w0.203: U2300.63 88.51,137.29 v1(88.68,137.46)
  BOTTOM w0.406: v1(88.68,137.46) 88.36,137.46 88.21,137.61 C2358.1
  BOTTOM w0.508: v1(88.68,137.46) 88.91,137.23 89.45,137.23 89.96,137.74 89.96,139.52 91.74,141.3 R2326.1
VCCIO0_1V8: length 115.1
  TOP w0.203: U1000.1J20 v1(81.54,86.87)
  TOP w0.305: v1(53.21,111.45) 50.33,111.45 50.01,111.13 R4302.1 48.73,109.49 47.92,108.68 47.92,105 R4300.1 R4301.1
  L4-SIG w0.203: 81.07,89.7 81.07,87.34 v1(81.54,86.87)
  L4-SIG w0.508: v2(55.55,115.4) 53.21,113.06 v1(53.21,111.45) 53.21,104.14 50.99,101.93 v1(50.99,101.41) 50.99,100.89 51.6,100.27 55.03,100.27 55.41,100.66 56.74,100.66 v1(57.37,100.02) ; v2(67.1,136.17) 67.1,125.44 71.03,121.5 71.03,115.77 v2(74.08,112.72) 74.61,112.72 77.21,110.12 77.21,97.6 78.65,96.16 78.65,94.27 79.8,93.13 79.8,91.51 81.07,90.23 81.07,89.7